# Altium PCB PCB_Right.PcbDoc (part 2 of 2)
Units mm, origin at the board's own origin, x right, y up, seen from the top; angles counter-clockwise.
Board outline 53 x 60 mm, 8 copper layers (Top Side, Inner 1 (HS), Inner 2 (GND), Inner Layer 3, Inner Layer 4, Inner 5 (GND), Inner 6 (HS), Bottom Side), stack 0.912 mm thick; 48 components, 96 nets, 351 pads, 1297 vias.
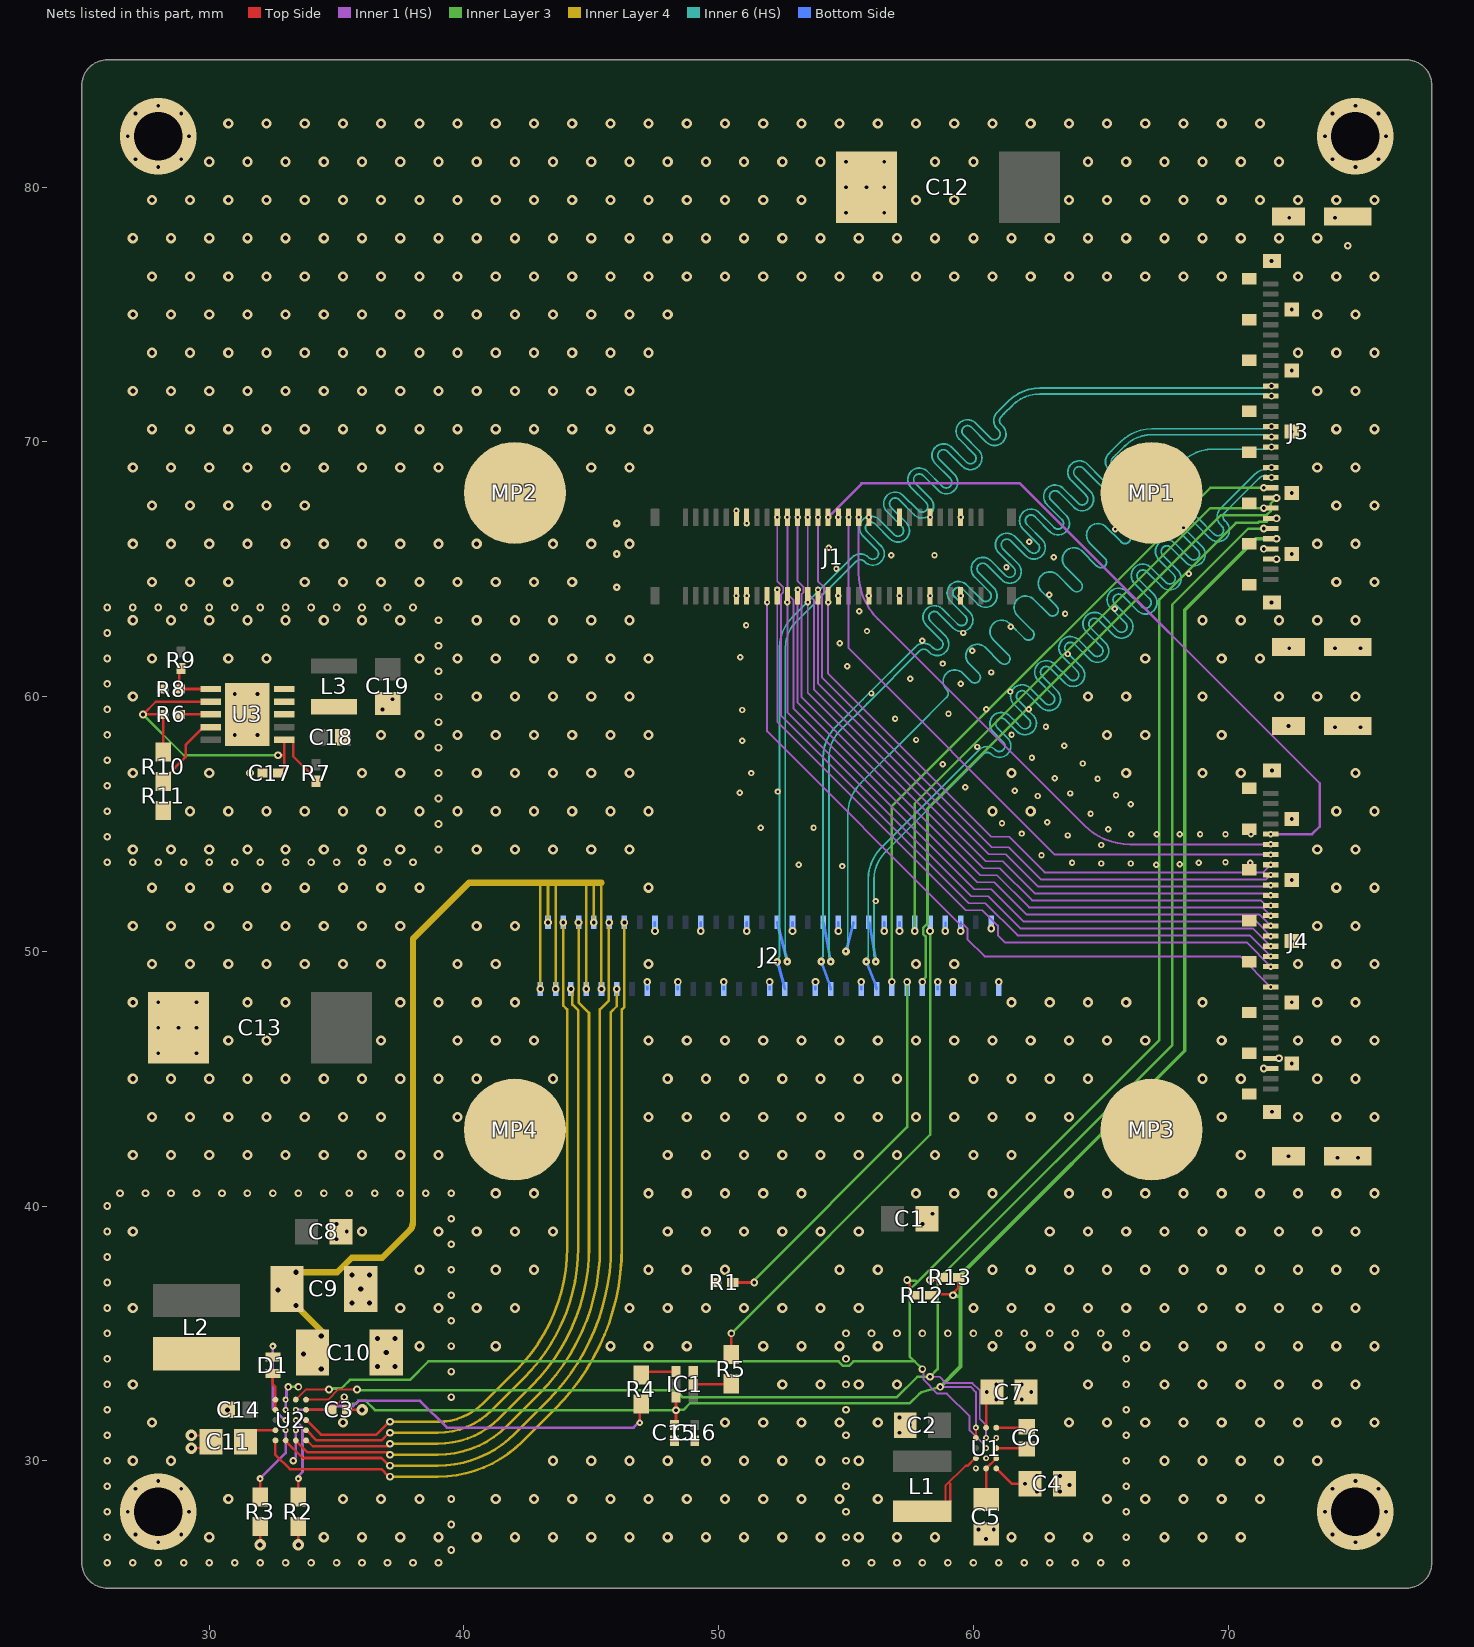
[diagram p8: the nets of this part, all layers, seen from the top]

## Via types
v1: diameter 0.4, hole 0.2, Top Side to Bottom Side, 696 vias
v2: diameter 0.3, hole 0.15, Top Side to Bottom Side, 344 vias
v3: diameter 0.25, hole 0.1, Top Side to Inner 1 (HS), 155 vias
v4: diameter 0.45, hole 0.2, Top Side to Bottom Side, 30 vias
v5: diameter 0.28, hole 0.15, Top Side to Bottom Side, 20 vias
v6: diameter 0.3, hole 0.1, Inner 6 (HS) to Bottom Side, 20 vias
v7: diameter 0.23, hole 0.1, Top Side to Inner 1 (HS), 15 vias
v8: diameter 0.275, hole 0.1, Top Side to Inner 1 (HS), 9 vias
v9: diameter 3, hole 1.9, Top Side to Bottom Side, 4 vias
v10: diameter 0.3, hole 0.1, Top Side to Bottom Side, 3 vias
v11: diameter 0.3, hole 0.1, Top Side to Inner 1 (HS), 1 vias

## Nets (pads, with @x,y where several pads share a name; then routed paths per layer and width w, separated by ;. In a path a pad name is that pad's centre, name@x,y a point inside that pad or via, vN(x,y) a via of type N, cw(c..) or ccw(c..) an arc to the next point about the centre after c; other vN are vias at no path point) (continued)
D1_1_P: J2.20 J3.14 | length 50.3
  Inner 6 (HS) w0.07: v6(54.997,49.995) v6@55.042,49.951 ; v6@55.07,49.995 55.07,55.369 cw(c56.824,55.369) 55.584,56.609 57.639,58.664 58.947,59.972 ccw(c58.791,60.127) 58.947,60.283 cw(c59.265,60.601) 58.947,60.919 cw(c59.265,60.601) 59.583,60.919 59.901,60.601 ccw(c60.057,60.757) 60.212,60.601 ccw(c60.057,60.757) 60.212,60.912 59.838,61.287 cw(c60.156,61.605) 59.837,61.923 cw(c60.156,61.605) 60.436,61.957 60.44,61.957 61.061,61.337 ccw(c61.216,61.492) 61.372,61.337 ccw(c61.216,61.492) 61.372,61.648 60.786,62.234 cw(c61.103,62.553) 60.785,62.871 cw(c61.103,62.553) 61.384,62.905 61.388,62.905 62.008,62.284 ccw(c62.164,62.44) 62.319,62.284 ccw(c62.164,62.44) 62.319,62.595 61.733,63.181 cw(c62.051,63.5) 61.733,63.818 cw(c62.051,63.5) 62.331,63.852 62.335,63.852 62.956,63.232 ccw(c63.111,63.387) 63.267,63.232 ccw(c63.111,63.387) 63.267,63.543 62.681,64.129 cw(c62.998,64.448) 62.68,64.766 cw(c62.998,64.448) 63.279,64.8 63.283,64.8 63.903,64.179 ccw(c64.059,64.335) 64.215,64.179 ccw(c64.059,64.335) 64.214,64.49 ; 64.214,64.491 63.628,65.076 cw(c63.946,65.395) 63.628,65.714 cw(c63.946,65.395) 64.226,65.747 64.23,65.747 64.851,65.127 ccw(c65.006,65.282) 65.162,65.127 ccw(c65.006,65.282) 65.162,65.438 ; 65.161,65.439 64.576,66.024 cw(c64.893,66.343) 64.575,66.661 cw(c64.893,66.343) 65.174,66.695 65.178,66.695 65.798,66.074 ccw(c65.954,66.23) 66.11,66.074 ccw(c65.954,66.23) 66.11,66.385 ; 66.109,66.386 65.523,66.971 cw(c65.841,67.29) 65.523,67.609 cw(c65.841,67.29) 66.121,67.642 66.125,67.642 66.746,67.022 ccw(c66.902,67.177) 67.057,67.022 ccw(c66.902,67.177) 67.057,67.333 ; 67.056,67.334 66.471,67.919 cw(c66.788,68.238) 66.47,68.556 cw(c66.788,68.238) 67.069,68.59 67.073,68.59 67.694,67.969 ccw(c67.849,68.125) 68.005,67.969 ccw(c67.849,68.125) 68.005,68.28 ; 68.004,68.281 67.949,68.336 cw(c68.266,68.655) 67.948,68.973 68.054,69.079 68.176,69.201 cw(c69.416,67.961) 69.416,69.715 71.495,69.715 ccw(c71.495,69.888) 71.617,69.766 cw(c71.7,69.682) v5(71.7,69.8)
  Bottom Side w0.111: v6(54.997,49.995) 55.245,50.925 J2.20@55.3,51.135
D1_2_N: J2.18 J3.11 | length 49.6
  Inner 6 (HS) w0.07: v6@56.145,49.737 ccw(c56.215,49.738) 56.147,49.723 v6(56.175,49.6) cw(c56.281,49.706) 56.131,49.706 56.131,49.748 ccw(c56.082,49.748) 56.117,49.783 cw(c56.151,49.817) 56.103,49.817 56.103,51.191 56.1,51.193 56.1,52.824 cw(c57.624,52.824) 56.546,53.901 57.958,55.313 59.087,56.442 60.391,57.746 cw(c60.547,57.591) 60.702,57.746 ccw(c61.02,58.064) 61.339,57.746 ccw(c61.02,58.064) 61.339,58.382 60.944,58.778 cw(c61.099,58.933) 60.944,59.089 cw(c61.099,58.933) 61.255,59.089 61.706,58.637 ccw(c62.025,58.955) 62.343,58.637 ccw(c62.025,58.955) 62.376,59.236 62.376,59.24 61.756,59.86 cw(c61.911,60.016) 61.756,60.172 cw(c61.911,60.016) 62.067,60.171 62.653,59.585 ccw(c62.972,59.903) 63.29,59.585 ccw(c62.972,59.903) 63.324,60.183 63.324,60.187 62.703,60.808 cw(c62.859,60.963) 62.703,61.119 cw(c62.859,60.963) 63.015,61.119 63.601,60.533 ccw(c63.92,60.85) 64.238,60.532 ccw(c63.92,60.85) 64.271,61.131 64.271,61.135 63.651,61.755 cw(c63.806,61.911) 63.651,62.067 cw(c63.806,61.911) 63.962,62.066 64.548,61.48 ccw(c64.867,61.798) 65.185,61.48 ccw(c64.867,61.798) 65.219,62.078 65.219,62.082 64.598,62.703 cw(c64.754,62.859) 64.598,63.014 cw(c64.754,62.859) 64.91,63.014 65.496,62.428 ccw(c65.815,62.745) 66.133,62.427 ccw(c65.815,62.745) 66.167,63.026 66.167,63.03 65.546,63.651 cw(c65.702,63.806) 65.546,63.962 cw(c65.702,63.806) 65.857,63.962 ; 65.858,63.961 66.443,63.376 ; 66.443,63.375 ccw(c66.762,63.693) 67.08,63.375 ccw(c66.762,63.693) 67.114,63.973 67.114,63.977 66.493,64.598 cw(c66.649,64.754) 66.493,64.909 cw(c66.649,64.754) 66.805,64.909 ; 66.805,64.908 67.391,64.323 ccw(c67.71,64.64) 68.028,64.322 ccw(c67.71,64.64) 68.062,64.921 68.062,64.925 67.441,65.546 cw(c67.597,65.701) 67.441,65.857 cw(c67.597,65.701) 67.752,65.857 ; 67.753,65.856 68.338,65.271 ccw(c68.657,65.588) 68.975,65.27 ccw(c68.657,65.588) 69.009,65.868 69.009,65.873 68.389,66.493 cw(c68.544,66.649) 68.389,66.804 cw(c68.544,66.649) 68.7,66.804 ; 68.7,66.803 69.286,66.218 ccw(c69.605,66.536) 69.923,66.217 ccw(c69.605,66.536) 69.957,66.816 69.957,66.82 69.866,66.91 cw(c70.022,67.066) 69.866,67.221 69.905,67.26 69.972,67.328 71.213,68.568 cw(c71.495,68.287) 71.495,68.685 cw(c71.495,68.512) 71.617,68.634 ccw(c71.7,68.718) v5(71.7,68.6)
  Bottom Side w0.111: J2.18@55.9,51.135 55.955,50.925 v6(56.175,49.6)
D1_2_P: J2.17 J3.12 | length 49.5
  Inner 6 (HS) w0.07: v6(55.8,49.6) ccw(c55.694,49.706) 55.844,49.699 ccw(c55.694,49.706) 55.844,49.706 55.844,49.748 cw(c55.893,49.748) 55.858,49.783 ccw(c55.824,49.817) 55.872,49.817 55.872,51.096 55.87,51.098 55.87,52.824 cw(c57.624,52.824) 56.384,54.064 57.795,55.475 58.991,56.672 60.228,57.909 cw(c60.547,57.591) 60.865,57.909 ccw(c61.02,58.064) 61.176,57.909 ccw(c61.02,58.064) 61.176,58.22 60.781,58.615 cw(c61.099,58.933) 60.781,59.251 cw(c61.099,58.933) 61.417,59.251 61.658,59.01 61.869,58.8 ccw(c62.025,58.955) 62.18,58.8 ccw(c62.025,58.955) 62.18,59.111 ; 61.594,59.697 62.179,59.112 ; 61.594,59.697 cw(c61.911,60.016) 61.593,60.334 cw(c61.911,60.016) 62.192,60.368 62.196,60.368 62.816,59.747 ccw(c62.972,59.903) 63.128,59.747 ccw(c62.972,59.903) 63.128,60.058 ; 63.127,60.059 62.541,60.644 cw(c62.859,60.963) 62.541,61.282 cw(c62.859,60.963) 63.139,61.315 63.143,61.315 63.764,60.695 ccw(c63.92,60.85) 64.075,60.695 ccw(c63.92,60.85) 64.075,61.006 ; 64.074,61.007 63.489,61.592 cw(c63.806,61.911) 63.488,62.229 cw(c63.806,61.911) 64.087,62.263 64.091,62.263 64.712,61.642 ccw(c64.867,61.798) 65.023,61.642 ccw(c64.867,61.798) 65.023,61.954 ; 65.022,61.954 64.437,62.54 cw(c64.754,62.859) 64.436,63.177 cw(c64.754,62.859) 65.034,63.21 65.039,63.21 65.659,62.59 ccw(c65.815,62.745) 65.97,62.59 ccw(c65.815,62.745) 65.97,62.901 ; 65.969,62.902 65.384,63.487 cw(c65.702,63.806) 65.383,64.124 cw(c65.702,63.806) 65.982,64.158 65.986,64.158 66.607,63.537 ccw(c66.762,63.693) 66.918,63.537 ccw(c66.762,63.693) 66.918,63.849 ; 66.917,63.849 66.332,64.435 cw(c66.649,64.754) 66.331,65.072 cw(c66.649,64.754) 66.93,65.105 66.934,65.105 67.554,64.485 ccw(c67.71,64.64) 67.865,64.485 ccw(c67.71,64.64) 67.865,64.796 67.279,65.382 cw(c67.597,65.701) 67.278,66.019 cw(c67.597,65.701) 67.877,66.053 67.881,66.053 68.502,65.432 ccw(c68.657,65.588) 68.813,65.432 ccw(c68.657,65.588) 68.813,65.744 68.227,66.33 cw(c68.544,66.649) 68.226,66.967 cw(c68.544,66.649) 68.825,67.001 68.829,67.001 69.449,66.38 ccw(c69.605,66.536) 69.76,66.38 ccw(c69.605,66.536) 69.76,66.691 69.705,66.747 cw(c70.022,67.066) 69.704,67.384 69.81,67.49 71.051,68.731 cw(c71.495,68.287) 71.495,68.915 ccw(c71.495,69.088) 71.617,68.966 cw(c71.7,68.882) v5(71.7,69)
  Bottom Side w0.111: v6(55.8,49.6) 56.145,48.735 J2.17@56.2,48.52
D1_3_N: J2.30 J3.19 | length 50.3
  Inner 6 (HS) w0.07: v6(52.7,49.6) cw(c52.806,49.706) 52.656,49.706 52.656,49.733 ccw(c52.592,49.733) 52.637,49.778 cw(c52.682,49.823) 52.619,49.823 52.619,61.914 cw(c54.079,61.914) 53.046,62.946 54.781,64.681 55.409,65.309 cw(c55.564,65.153) 55.72,65.309 55.736,65.293 ccw(c56.054,65.611) 56.372,65.293 ccw(c56.054,65.611) 56.372,65.929 56.081,66.221 55.826,66.475 cw(c55.981,66.631) 55.826,66.787 cw(c55.981,66.631) 56.137,66.787 ; 56.138,66.786 56.723,66.2 ccw(c57.042,66.518) 57.36,66.2 ccw(c57.042,66.518) 57.394,66.798 57.394,66.802 56.773,67.423 cw(c56.929,67.579) 56.773,67.734 cw(c56.929,67.579) 57.085,67.734 ; 57.085,67.733 57.671,67.148 ccw(c57.99,67.465) 58.308,67.147 ccw(c57.99,67.465) 58.342,67.746 58.342,67.75 57.721,68.371 cw(c57.877,68.526) 57.721,68.682 cw(c57.877,68.526) 58.032,68.682 ; 58.033,68.681 58.618,68.096 ccw(c58.937,68.413) 59.255,68.095 ccw(c58.937,68.413) 59.289,68.693 59.289,68.697 58.669,69.318 cw(c58.824,69.474) 58.669,69.629 cw(c58.824,69.474) 58.98,69.629 59.566,69.043 ccw(c59.885,69.36) 60.203,69.042 ccw(c59.885,69.36) 60.237,69.641 60.237,69.645 59.616,70.266 cw(c59.772,70.421) 59.616,70.577 cw(c59.772,70.421) 59.927,70.577 60.513,69.991 ccw(c60.832,70.308) 61.15,69.99 ccw(c60.832,70.308) 61.184,70.589 61.184,70.593 61.094,70.683 cw(c61.249,70.838) 61.094,70.994 61.2,71.1 61.539,71.439 cw(c62.616,70.361) 62.616,71.885 71.495,71.885 cw(c71.495,71.712) 71.617,71.834 ccw(c71.7,71.918) v5(71.7,71.8)
  Bottom Side w0.111: J2.30@52.3,51.135 52.355,50.925 v6(52.7,49.6)
D1_3_P: J2.29 J3.20 | length 50.2
  Inner 6 (HS) w0.07: v6(52.307,49.594) ccw(c52.201,49.701) 52.351,49.701 52.351,49.728 cw(c52.415,49.728) 52.37,49.773 ccw(c52.325,49.818) 52.389,49.818 52.389,61.914 cw(c54.079,61.914) 52.884,63.109 54.618,64.844 55.246,65.471 cw(c55.564,65.153) 55.882,65.471 55.898,65.455 ccw(c56.054,65.611) 56.209,65.455 ccw(c56.054,65.611) 56.209,65.767 55.663,66.313 cw(c55.981,66.631) 55.663,66.949 cw(c55.981,66.631) 56.262,66.983 56.266,66.983 56.887,66.362 ccw(c57.042,66.518) 57.198,66.362 ccw(c57.042,66.518) 57.198,66.674 ; 57.197,66.674 56.612,67.26 cw(c56.929,67.579) 56.611,67.897 cw(c56.929,67.579) 57.21,67.93 57.214,67.93 57.834,67.31 ccw(c57.99,67.465) 58.145,67.31 ccw(c57.99,67.465) 58.145,67.621 ; 58.144,67.622 57.559,68.207 cw(c57.877,68.526) 57.558,68.844 cw(c57.877,68.526) 58.157,68.878 58.161,68.878 58.782,68.257 ccw(c58.937,68.413) 59.093,68.257 ccw(c58.937,68.413) 59.093,68.569 ; 58.507,69.155 59.092,68.569 ; 58.507,69.155 cw(c58.824,69.474) 58.506,69.792 cw(c58.824,69.474) 59.105,69.826 59.109,69.826 59.729,69.205 ccw(c59.885,69.36) 60.04,69.205 ccw(c59.885,69.36) 60.04,69.516 ; 60.04,69.517 59.454,70.102 cw(c59.772,70.421) 59.453,70.739 cw(c59.772,70.421) 60.052,70.773 60.056,70.773 60.677,70.152 ccw(c60.832,70.308) 60.988,70.152 ccw(c60.832,70.308) 60.988,70.464 ; 60.987,70.464 60.932,70.519 cw(c61.249,70.838) 60.931,71.157 61.037,71.263 61.376,71.601 cw(c62.616,70.361) 62.616,72.115 71.495,72.115 ccw(c71.495,72.288) 71.617,72.166 cw(c71.7,72.082) v5(71.7,72.2)
  Bottom Side w0.111: v6(52.307,49.594) 52.545,48.735 J2.29@52.6,48.52
D1_C_N: J2.24 J3.15 | length 50.4
  Inner 6 (HS) w0.07: v6(54.4,49.6) cw(c54.506,49.706) 54.356,49.706 54.356,49.748 ccw(c54.307,49.748) 54.342,49.783 cw(c54.376,49.817) 54.328,49.817 54.328,57.596 cw(c55.852,57.596) 54.774,58.674 55.826,59.726 57.9,61.8 cw(c58.055,61.644) 58.211,61.8 58.267,61.744 ccw(c58.586,62.061) 58.904,61.743 ccw(c58.586,62.061) 58.938,62.342 58.938,62.346 58.317,62.966 cw(c58.473,63.122) 58.317,63.278 cw(c58.473,63.122) 58.628,63.278 ; 58.629,63.277 59.214,62.691 ccw(c59.533,63.009) 59.851,62.691 ccw(c59.533,63.009) 59.885,63.289 59.885,63.293 59.264,63.914 cw(c59.42,64.07) 59.264,64.225 cw(c59.42,64.07) 59.576,64.225 ; 59.576,64.224 60.162,63.639 ccw(c60.481,63.956) 60.799,63.638 ccw(c60.481,63.956) 60.833,64.237 60.833,64.241 60.212,64.862 cw(c60.368,65.017) 60.212,65.173 cw(c60.368,65.017) 60.523,65.173 ; 60.524,65.172 61.109,64.587 ccw(c61.428,64.904) 61.746,64.586 ccw(c61.428,64.904) 61.78,65.184 61.78,65.189 61.16,65.809 cw(c61.315,65.965) 61.16,66.12 cw(c61.315,65.965) 61.471,66.12 ; 61.471,66.119 62.057,65.534 ccw(c62.376,65.852) 62.694,65.533 ccw(c62.376,65.852) 62.728,66.132 62.728,66.136 62.107,66.757 cw(c62.263,66.912) 62.107,67.068 cw(c62.263,66.912) 62.418,67.068 ; 62.419,67.067 63.004,66.482 ccw(c63.323,66.799) 63.642,66.481 ccw(c63.323,66.799) 63.675,67.08 63.675,67.084 63.055,67.704 cw(c63.21,67.86) 63.055,68.015 cw(c63.21,67.86) 63.366,68.015 ; 63.367,68.014 63.952,67.429 ccw(c64.271,67.747) 64.589,67.428 ccw(c64.271,67.747) 64.623,68.027 64.623,68.031 64.002,68.652 cw(c64.158,68.807) 64.002,68.963 cw(c64.158,68.807) 64.313,68.963 ; 64.314,68.962 64.899,68.377 ccw(c65.218,68.694) 65.537,68.376 ccw(c65.218,68.694) 65.57,68.975 65.57,68.979 65.48,69.069 cw(c65.636,69.224) 65.48,69.38 65.586,69.486 65.939,69.839 cw(c67.016,68.761) 67.016,70.285 71.495,70.285 cw(c71.495,70.112) 71.617,70.234 ccw(c71.7,70.318) v5(71.7,70.2)
  Bottom Side w0.111: J2.24@54.1,51.135 54.155,50.925 v6(54.4,49.6)
D1_C_P: J2.23 J3.16 | length 50.3
  Inner 6 (HS) w0.07: v6(54.025,49.6) ccw(c53.919,49.706) 54.069,49.706 54.069,49.748 cw(c54.118,49.748) 54.083,49.783 ccw(c54.049,49.817) 54.097,49.817 54.097,57.596 cw(c55.852,57.596) 54.611,58.837 55.664,59.889 57.737,61.962 cw(c58.055,61.644) 58.374,61.962 58.43,61.906 ccw(c58.586,62.061) 58.741,61.906 ccw(c58.586,62.061) 58.741,62.217 ; 58.74,62.218 58.155,62.803 cw(c58.473,63.122) 58.154,63.44 cw(c58.473,63.122) 58.753,63.474 58.757,63.474 59.378,62.853 ccw(c59.533,63.009) 59.689,62.853 ccw(c59.533,63.009) 59.689,63.165 ; 59.103,63.751 cw(c59.42,64.07) 59.102,64.388 cw(c59.42,64.07) 59.701,64.421 59.705,64.421 60.325,63.801 ccw(c60.481,63.956) 60.636,63.801 ccw(c60.481,63.956) 60.636,64.112 ; 59.103,63.751 59.688,63.165 ; 60.636,64.113 60.05,64.698 cw(c60.368,65.017) 60.049,65.335 cw(c60.368,65.017) 60.648,65.369 60.652,65.369 61.273,64.748 ccw(c61.428,64.904) 61.584,64.748 ccw(c61.428,64.904) 61.584,65.06 ; 61.583,65.06 60.998,65.646 cw(c61.315,65.965) 60.997,66.283 cw(c61.315,65.965) 61.596,66.317 61.6,66.317 62.22,65.696 ccw(c62.376,65.852) 62.531,65.696 ccw(c62.376,65.852) 62.531,66.007 ; 62.531,66.008 61.945,66.593 cw(c62.263,66.912) 61.944,67.23 cw(c62.263,66.912) 62.543,67.264 62.547,67.264 63.168,66.643 ccw(c63.323,66.799) 63.479,66.643 ccw(c63.323,66.799) 63.479,66.955 ; 63.478,66.955 62.893,67.541 cw(c63.21,67.86) 62.892,68.178 cw(c63.21,67.86) 63.491,68.212 63.495,68.212 64.115,67.591 ccw(c64.271,67.747) 64.426,67.591 ccw(c64.271,67.747) 64.426,67.902 ; 64.426,67.903 63.84,68.488 cw(c64.158,68.807) 63.84,69.125 cw(c64.158,68.807) 64.438,69.159 64.442,69.159 65.063,68.539 ccw(c65.218,68.694) 65.374,68.539 ccw(c65.218,68.694) 65.374,68.85 ; 65.373,68.85 65.318,68.905 cw(c65.636,69.224) 65.317,69.543 65.423,69.649 65.776,70.001 cw(c67.016,68.761) 67.016,70.515 71.495,70.515 ccw(c71.495,70.688) 71.617,70.566 cw(c71.7,70.482) v5(71.7,70.6)
  Bottom Side w0.111: v6(54.025,49.6) 54.345,48.735 J2.23@54.4,48.52
DIS_EN: C3.2 C15.2 IC1.6 J3.5 R12.2 R13.2 U1.A1 U1.B1 U2.B4 | length 71.4
  Top Side w0.075: C3.2@34.79,32 34.8,32 34.815,32 34.989,32.174 ccw(c34.883,32.28) 34.992,32.177 v2(35.3,32.5) ; U1.B1@60.1,30.9 v7(60.1,31.3)
  Top Side w0.1: U2.B4@33.8,32 C3.2@34.8,32 ; C15.2@48.263,31.41 48.326,31.473 v2(48.326,31.987) IC1.6@48.326,32.5 ; R12.2@58.325,36.5 58.363,36.538 59.162,36.538 v2(59.2,36.5) ; v2@59.184,36.538 59.238,36.592 59.238,36.615 59.416,36.792 59.416,37.191 R13.2@59.425,37.2
  Inner Layer 3 w0.1: v2(35.3,32.5) 35.57,32.23 35.735,32.23 35.855,32.35 36.145,32.35 36.508,31.987 v2(48.326,31.987) 48.337,31.998 48.622,31.998 48.886,32.262 57.509,32.262 57.879,32.632 57.964,32.682 v2(58.7,32.9) ; v2(59.2,36.5) v2@59.238,36.462
  Inner Layer 3 w0.15: v2(58.7,32.9) 59.5,33.7 59.5,36.4 ; v2@59.238,36.462 59.438,36.462 59.5,36.4 ; v2(71.9,66.2) 71.1,66.2 68.3,63.4 68.3,46.1 59.5,37.3 59.5,36.4
  Inner 1 (HS) w0.075: v2(58.7,32.9) 59.9,32.9 60.1,32.7 v7(60.1,31.3)
DIS_SCL: J3.6 R13.1 U1.B2 U2.A4 | length 69.2
  Top Side w0.075: U2.A4@33.8,32.4 34.671,32.4 35.071,32.8 v2(35.8,32.8)
  Top Side w0.1: v2(58.3,37.1) 58.7,37.1 R13.1@58.8,37.2
  Inner Layer 3 w0.1: v2(35.8,32.8) 35.825,32.775 48.298,32.775 48.573,32.5 57,32.5 57.8,33.3 v2(58.3,33.3) 58.6,33.6 58.6,37.107 ; v2(58.3,37.1) 58.307,37.107 58.6,37.107 ; v2(71.4,66.6) 70.793,66.6 67.8,63.607 67.8,46.307 58.6,37.107
  Inner 1 (HS) w0.075: v2(58.3,33.3) 58.671,33.3 58.921,33.05 59.962,33.05 60.25,32.762 60.25,31.65 60.5,31.4 v7(60.5,30.9)
DIS_SDA: J3.7 R12.1 U1.C2 U2.A3 | length 71
  Top Side w0.075: U2.A3@33.4,32.4 33.8,32.8 v2(34.7,32.8)
  Top Side w0.1: v2(57.4,37.1) 57.4,37.046 57.505,36.941 57.505,36.625 57.63,36.5 R12.1@57.675,36.5 R12.1@57.7,36.5
  Inner Layer 3 w0.1: v2(34.7,32.8) 34.738,32.838 35.185,32.838 35.301,32.954 35.521,33.175 37.875,33.175 38.6,33.9 54.711,33.9 54.886,33.725 55.114,33.725 55.289,33.9 57.7,33.9 ; v2(57.4,37.1) 57.438,37.062 57.738,37.062 57.793,37.007 ; v2(58,33.6) 57.7,33.9 ; v2(71.9,67) 71.862,66.962 71.598,66.962 71.511,66.875 71.222,66.875 71.172,66.825 70.311,66.825 67.3,63.814 67.3,46.514 57.793,37.007 ; 57.7,33.9 57.5,34.1 57.5,36.714 57.793,37.007
  Inner 1 (HS) w0.075: v2(58,33.6) 58.037,33.563 58.037,33.191 58.591,32.637 58.963,32.637 59.85,31.75 59.85,31.196 60.5,30.546 v7(60.5,30.5)
GND: C1.1 C2.1 C3.1 C4.1 C5.1 C7.1 C8.1 C9.1 C10.1 C11.1 C12.2 C13.2 C14.1 C15.1 C16.1 C17.1 C18.1 C19.1 IC1.3 J1.11 J1.12 J1.13 J1.14 J1.31 J1.32 J1.37 J1.38 J1.43 J1.44 J1.49 J1.50 J1.55 J1.56 J2.6 J2.9 J2.14 J2.16 J2.19 J2.22 J2.25 J2.28 J2.31 J2.34 J2.37 J2.40 J2.43 J2.46 J2.47 J3.3 J3.4 J3.S1 J3.S2 J3.S3 J3.S4 J3.S5 J3.S6 J3.S7 J3.S8 J3.S9 J3.S10 J3.S11 J3.S12 J3.S13 J3.S14 J3.S15 J3.S16 J3.S17 J3.S18 J3.S19 J4.3 J4.4 J4.S1 J4.S2 J4.S3 J4.S4 J4.S5 J4.S6 J4.S7 J4.S8 J4.S9 J4.S10 J4.S11 J4.S12 J4.S13 J4.S14 J4.S15 J4.S16 J4.S17 J4.S18 J4.S19 MP1.1 MP2.1 MP3.1 MP4.1 R1.1 R2.2 R3.2 R8.1 R11.2 U1.B3 U1.D2 U1.E1 U2.A2 U2.B2 U2.D3 U3.4 U3.5 U3.11 | length 12.5
  Top Side w0.075: v4(29.3,30.5) 29.825,30.5 C11.1@30.075,30.75 ; v4(29.3,31) C11.1@29.85,31 ; C11.1@30.1,30.75 C11.1@29.85,31 ; C11.1@30.488,31.213 30.275,31 C11.1@29.85,31 ; C14.1@30.488,31.768 v4(30.72,32) ; C4.1@63.575,29.1 C4.1@63.988,29
  Top Side w0.1: v4(32,26.7) R3.2@32,27.425 ; v4(33.5,26.7) R2.2@33.5,27.425 ; C3.1@35.41,32 v4(36,32)
  Inner Layer 3 w0.1: v2(33.1,32.9) v2(33.5,32.9)
  Inner 1 (HS) w0.1: v7(33,32) v7(33,32.4) 33.033,32.433 33.033,32.779 33.1,32.846 v2(33.1,32.9) ; v2(33.3,30) 33.3,30.054 33.4,30.154 v7(33.4,31.2)
  Bottom Side w0.1: J2.47@47.2,48.52 v2(47.2,48.8) ; v2(47.5,50.8) J2.46@47.5,51.135 ; J2.43@48.4,48.52 v2(48.4,48.8) ; v2(49.3,50.8) J2.40@49.3,51.135 ; J2.37@50.2,48.52 v2(50.2,48.8) ; v2(51.1,50.8) J2.34@51.1,51.135 ; J2.31@52,48.52 v2(52,48.8) ; v2(52.9,50.8) J2.28@52.9,51.135 ; J2.25@53.8,48.52 v2(53.8,48.8) ; v2(54.7,50.8) J2.22@54.7,51.135 ; J2.19@55.6,48.52 v2(55.6,48.8) ; v2(56.5,50.8) J2.16@56.5,51.135 ; v2(57.1,50.8) J2.14@57.1,51.135 ; J2.9@58.6,48.52 v2(58.6,48.8) ; v2(59.5,50.8) J2.6@59.5,51.135